# KiCad board squishy-main.kicad_pcb (continued)
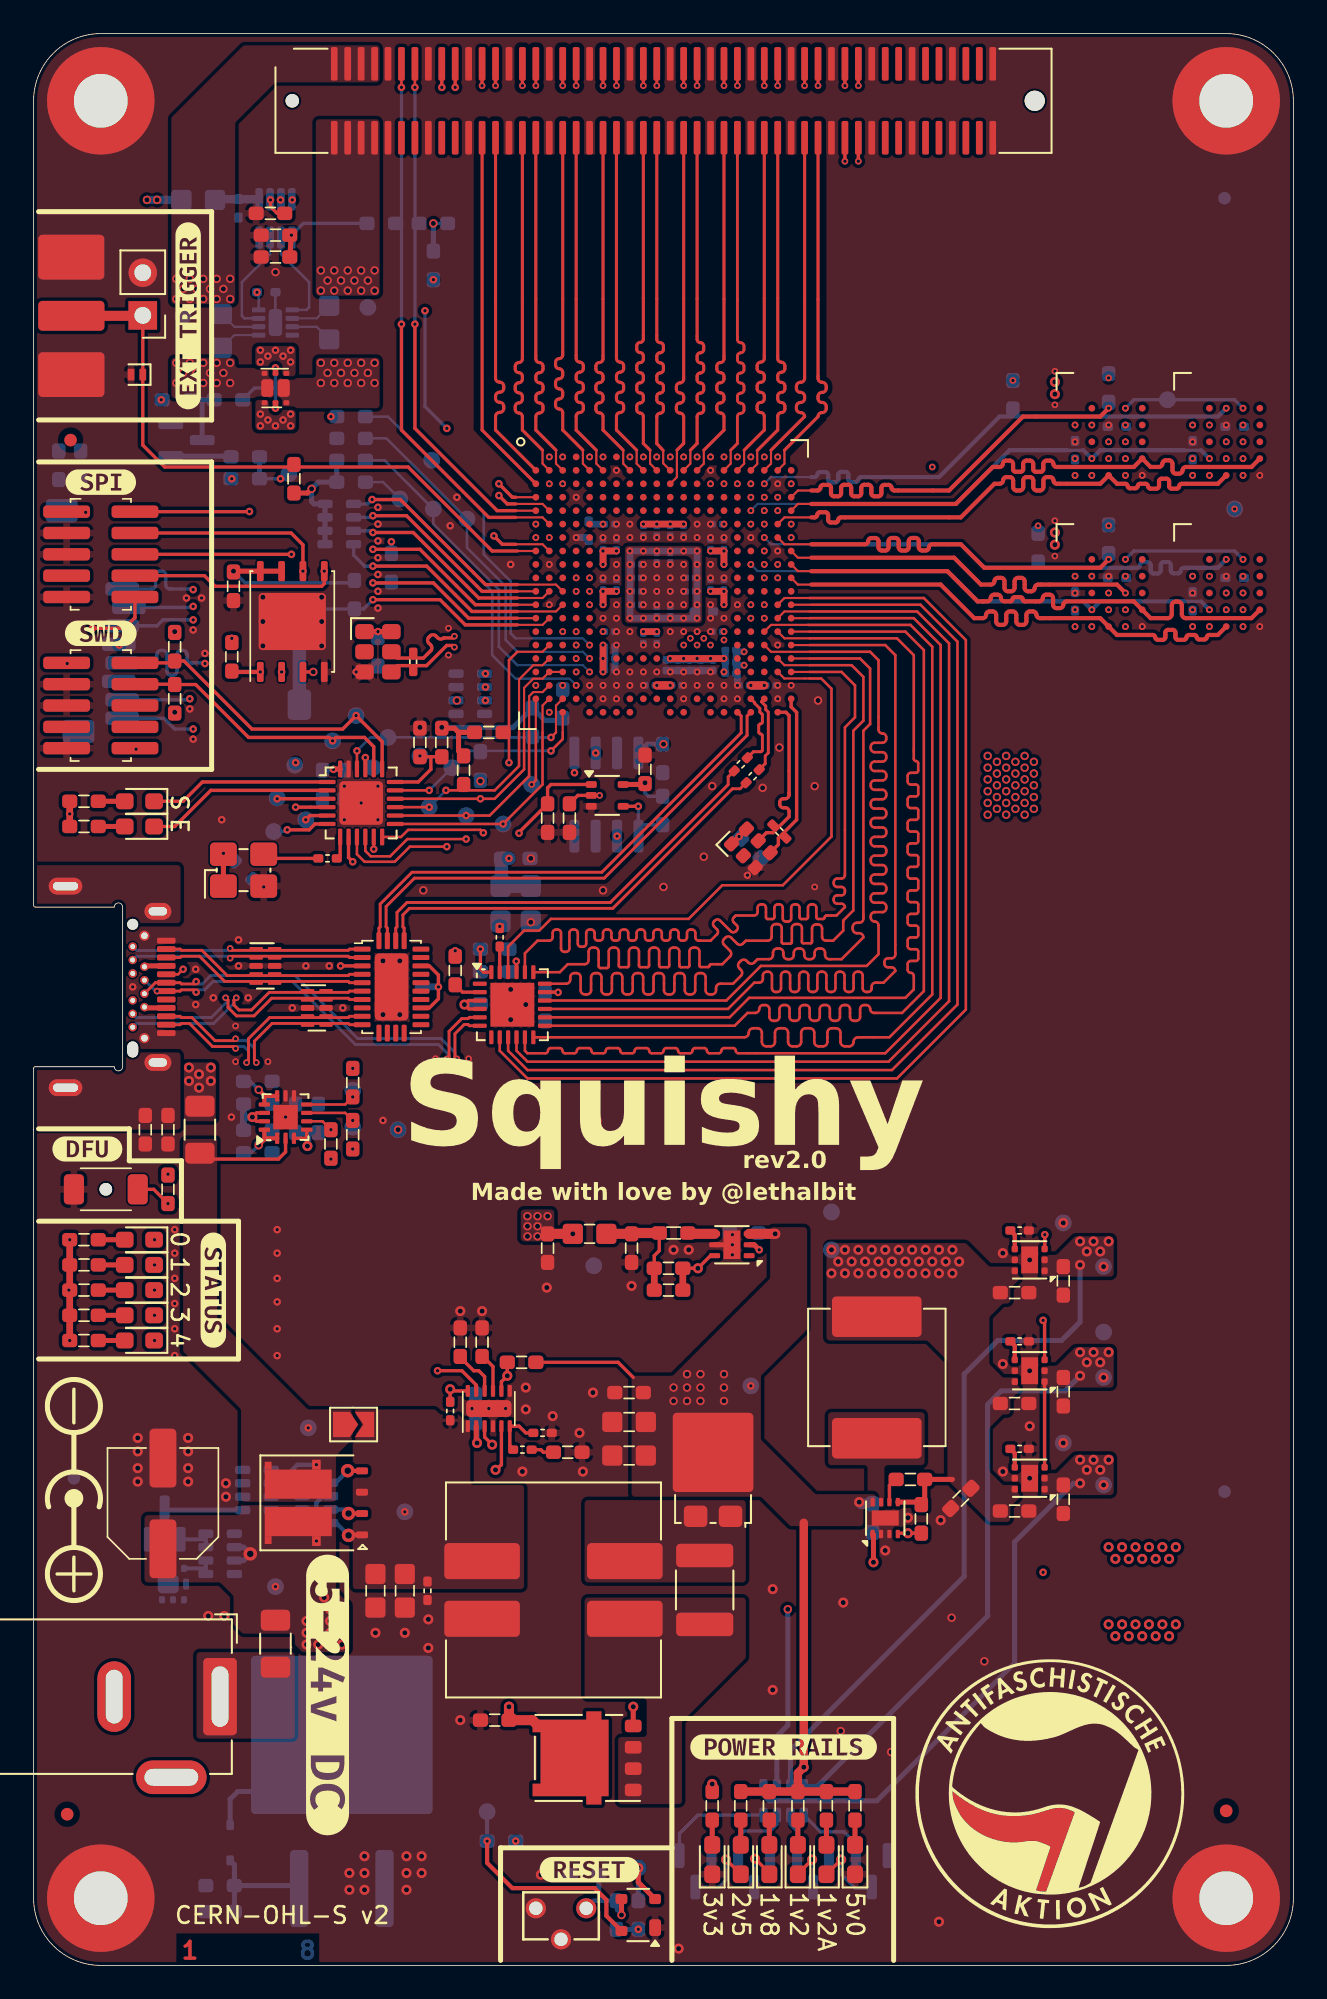
[diagram p0: board, top side]
## Routing (per net, layer and track width the routed paths; a pad name or vN(x,y) marks a point on that pad's centre or on a via; arc(x,y) is an arc through that point) (continued)
/USB Frontend/RX1+: length 13.9
  Top w0.172: U5.1 18.81,60.5 18.74,60.43 11.81,60.43 v3(11.7,60.54)
  Bottom w0.172: v3(11.7,60.54) 11.59,60.43 6.12,60.43 J3.B11
/USB Frontend/RX1-: length 13.9
  Top w0.172: v3(11.7,59.96) 11.81,60.07 18.74,60.07 18.81,60 U5.2
  Bottom w0.172: J3.B10 6.12,60.07 11.59,60.07 v3(11.7,59.96)
/USB Frontend/RX2+: length 15.2
  Top w0.172: v3(12.68,53.74) 12.79,53.86 12.79,55.17 14.05,56.43 18.74,56.43 18.81,56.5 U5.9 ; J3.A11 8.73,56 8.8,56.07 9.28,56.07 10.65,54.7 11.91,54.7 v3(12.03,54.58)
  Bottom w0.172: v3(12.68,53.74) 12.79,53.86 12.79,54.43 12.53,54.7 12.14,54.7 v3(12.03,54.58)
/USB Frontend/RX2-: length 15.2
  Top w0.172: J3.A10 8.73,56.5 8.8,56.43 9.42,56.43 10.8,55.05 11.91,55.05 v3(12.03,55.16) ; v3(13.26,53.74) 13.15,53.86 13.15,55.02 14.2,56.07 18.74,56.07 18.81,56 U5.10
  Bottom w0.172: v3(12.03,55.16) 12.14,55.05 12.67,55.05 13.15,54.58 13.15,53.86 v3(13.26,53.74)
/USB Frontend/SSRX+: length 29.2
  Top w0.172: U1.Y16 42.12,74.38 42.12,73.37 33.83,65.08 22.53,65.08 20.63,63.18 20.63,61.82 20.56,61.75 U5.28
/USB Frontend/SSRX-: length 29.2
  Top w0.172: U1.Y17 42.48,74.38 42.48,73.23 33.97,64.72 22.67,64.72 20.99,63.04 20.99,61.82 21.06,61.75 U5.27
/USB Frontend/SSTX+: length 4.7
  Top w0.172: C9.2 42.85,72.25 43.31,72.25 43.39,72.33 43.39,73.2 arc(43.36,73.28) 43.28,73.31 arc(43.2,73.34) 43.17,73.42 43.17,73.8 arc(43.2,73.88) 43.28,73.91 arc(43.36,73.94) 43.39,74.02 43.39,74.46 43.24,74.62 43.24,74.82 42.92,75.13 42.92,75.18 U1.W17
/USB Frontend/SSTX-: length 4.7
  Top w0.172: U1.W18 43.33,75.23 43.59,74.97 43.59,74.76 43.74,74.61 43.74,72.18 43.56,72 43.56,71.54 C10.2
/USB Frontend/TX1+: length 12.3
  Top w0.172: U5.4 18.81,59 18.74,58.93 11.52,58.93 10.02,60.43 8.8,60.43 8.73,60.5 J3.A2
/USB Frontend/TX1-: length 12.3
  Top w0.172: J3.A3 8.73,60 8.8,60.07 9.88,60.07 11.38,58.57 18.74,58.57 18.81,58.5 U5.5
/USB Frontend/TX2+: length 15.7
  Top w0.172: v3(12.06,57.6) 11.93,57.46 11.93,57.17 12.22,56.88 12.98,56.88 14.03,57.93 18.74,57.93 18.81,58 U5.6
  Bottom w0.172: v3(12.06,57.6) 11.93,57.46 11.93,57.28 10.72,56.07 6.12,56.07 J3.B2
/USB Frontend/TX2-: length 15.7
  Top w0.172: U5.7 18.81,57.5 18.74,57.57 14.17,57.57 13.12,56.52 12.08,56.52 11.57,57.03 11.57,57.46 v3(11.44,57.6)
  Bottom w0.172: v3(11.44,57.6) 11.57,57.46 11.57,57.42 10.58,56.43 6.12,56.43 J3.B3
/USB Frontend/TX+: length 25.6
  Top w0.172: C9.1 41.35,70.75 41.35,70.29 34.33,63.28 22.23,63.28 21.63,62.68 21.63,61.82 21.56,61.75 U5.26
/USB Frontend/TX-: length 25.3
  Top w0.172: C10.1 42.06,70.04 41.6,70.04 34.48,62.92 22.37,62.92 21.99,62.54 21.99,61.82 22.06,61.75 U5.25
/USB Frontend/~{PD_INT}: length 61.4
  Top w0.152: v3(17.7,49.75) 17.2,50.25 U10.5
  In5.Cu w0.127: 46.2,81.4 43.1,81.4 v3(42.7,81)
  In5.Cu w0.152: v3(17.7,49.75) v4(21.7,49.75) 34.45,49.75 48.9,64.2 48.9,79.7 47.2,81.4 46.2,81.4
/USB Frontend/~{PHY_RST}: length 35.9
  Top w0.127: 46.19,76.61 44.69,76.61 U1.U19
  Top w0.152: U9.22 28.25,60.65 29.2,61.6 30.1,61.6 30.8,62.3 39,62.3 41,64.3 44.6,64.3 47.5,67.2 47.5,76 46.89,76.61 46.19,76.61
/~{BITRAM_CS}: length 4.1
  Top w0.2: v2(36,69) U24.4
  Bottom w0.2: U18.1 36,67.23 v2(36,69) ; R37.2 36,67.9
/~{DFU_TRIG}: length 18.3
  Top w0.152: v2(25.75,67.05) 22.25,67.05 21.22,66.02 20.07,66.02 19.75,66.34 U11.10
  In5.Cu w0.127: v3(29.9,76.2) 29.9,73.4
  In5.Cu w0.152: 29.9,73.4 29.9,71.2 v2(25.75,67.05)
/~{FLASH_CS}: length 29.3
  Top w0.2: J8.2 12.84,86.54 v2(12.85,86.55) ; v2(14.5,69.45) U11.3
  Top w0.25: R71.2 11.85,77 v2(13.5,77)
  In2.Cu w0.2: v2(12.85,86.55) 12.85,78.5 13.5,77.85 v2(13.5,77) 13.5,76.99 13.5,75.85 14.5,74.85 v2(14.5,69.45)
/~{FPGA_CS}: length 15.9
  Top w0.127: 28.9,73.4 28.9,76.55 29.75,77.4 30.3,77.4 U1.T2
  Top w0.152: v2(24.55,69.95) 27.45,69.95 28.9,71.4 28.9,73.4 ; 23.5,68.95 v2(23.55,68.95) U11.15
  Bottom w0.152: v2(24.55,69.95) v2(23.55,68.95)
/~{FPGA_HOLD}: length 22.3
  Top w0.127: U1.R2 30.3,78.2 28.8,78.2
  Top w0.152: v2(28.3,71.6) 28.3,77.7 28.8,78.2 ; U11.9 19.25,66.15 19.7,65.7 21.5,65.7 22.4,66.6 v2(24.6,66.6)
  In5.Cu w0.152: v2(24.6,66.6) 28.3,70.3 v2(28.3,71.6)
/~{FPGA_INIT}: length 17.1
  Top w0.152: U11.21 v2(19.75,71.9)
  In5.Cu w0.127: 28.7,76.6 30.3,76.6 30.7,76.2 v3(31.5,76.2)
  In5.Cu w0.152: 28.7,76.6 28.3,76.2 28.3,73.2 27.9,72.8 20.65,72.8 v2(19.75,71.9)
  Bottom w0.127: v2(19.75,71.9) 20.2,71.45 TP23.1
/~{FPGA_PROG}: length 15.6
  Top w0.127: U1.W3 31.1,75 31.1,73.4
  Top w0.152: 31.1,73.4 v2(30.8,73.1) ; 19.25,72.25 v2(19.25,72.3) U11.22
  Bottom w0.152: v2(30.8,73.1) 20.05,73.1 v2(19.25,72.3)
/~{PHY_PWR_EN}: length 21
  Top w0.127: U1.H2 30.3,84.6 28.7,84.6
  Top w0.2: v2(27.4,85.1) 27.9,84.6 28.7,84.6
  In5.Cu w0.2: v2(27.4,85.1) 25.8,86.7 23.8,86.7 22,88.5 v2(14.7,88.5)
  Bottom w0.2: R62.2 v2(14.7,88.5) 14.9,88.5 TP43.1
  Bottom w0.3: R63.2 R62.2
/~{SU_RST}: length 35.7
  Top w0.2: 23.65,71.95 C21.1 v2(23,72) ; 23.65,71.95 23.65,71.2 22.9,70.45 U11.18 ; 23.65,71.95 R12.2 ; v2(3.5,79.6) 5.4,79.6 6.03,80.23 J8.10
  In5.Cu w0.2: v2(3.5,79.6) 3.5,73.3 4.4,72.4 v2(6.1,72.4) 18.1,72.4 19.5,71 20.66,71 21.66,72 v2(23,72)
/~{TRIGGER}: length 38.1
  Top w0.127: U1.H1 28.8,84.2
  Top w0.2: 28.8,84.2 27.3,84.2 22.3,89.2 7.8,89.2 6.5,90.5 J1.1
  Top w0.6: J1.1 6.47,98.2 2.13,98.2
VDC: length 11.5
  Bottom w0.25: 17.69,27.93 17.24,27.93 16.83,27.53 v2(16.84,25.26)
  Bottom w0.3: R50.4 12.5,24.1 v5(12.9,24.5) 12.5,24.9 R50.6 ; D14.2 14.62,10.35 12.15,10.35 11.7,9.9 D13.1
  vias: v1(16.25,20.5) v1(16.25,19.8) v1(16.25,19.1) v1(16.95,21.2) v1(16.95,20.5) v1(16.95,19.8) v1(16.95,19.1) v1(17.3,21.9) v1(17.65,21.2) v1(17.65,20.5) v1(17.65,19.8) v1(17.65,19.1) v1(18.35,19.8) v1(18.35,19.1) v1(18.35,20.5) v2(14.4,22.55)
Net-(C26-Pad1): length 1.4
  Top w0.2: 29.6,30.7 30.2,30.7 30.35,30.55 R15.2
Net-(C89-Pad1): length 6.6
  Top w0.2: R33.1 36.95,42.25 37.25,42.55 37.25,43.5
  Top w0.4: C90.1 R33.1
  Top w0.6: L2.2 35.6,43.6 ; C89.1 FB2.1
Net-(D2-A): length 1.6
  Top w0.3: R23.2 D2.2
Net-(D3-A): length 1.6
  Top w0.3: D3.2 R24.2
Net-(D4-A): length 1.6
  Top w0.3: D4.2 R25.2
Net-(D5-A): length 1.6
  Top w0.3: D5.2 R26.2
Net-(D6-A): length 1.6
  Top w0.3: D6.2 R27.2
Net-(D7-A): length 1.4
  Top w0.3: R31.2 48.9,7.2
Net-(D8-A): length 1.5
  Top w0.3: 40.4,8.7 40.4,7.2
Net-(D9-A): length 1.5
  Top w0.3: R34.2 D9.2
Net-(D9-K): length 4.5
  Top w0.2: v1(41.22,6.3) 42.1,5.42 D9.1
  Bottom w0.2: 39.4,4.65 40.8,4.65 41.2,5.05 41.2,6.11 41.22,6.14 v1(41.22,6.3)
Net-(D10-A): length 1.5
  Top w0.3: R79.2 D10.2
Net-(D10-K): length 3.2
  Top w0.2: v1(46.35,6.3) 45.5,5.45 D10.1
  Bottom w0.2: v1(46.35,6.3) 46.35,4.35
Net-(D11-A): length 1.5
  Top w0.3: R78.2 D11.2
Net-(D11-K): length 3.1
  Top w0.2: D11.1 43.8,5.5 v1(42.95,6.35)
  Bottom w0.2: 42.9,4.55 42.95,4.6 v1(42.95,6.35)
Net-(D12-A): length 1.5
  Top w0.3: R80.2 D12.2
Net-(D12-K): length 4.2
  Top w0.2: v1(48.08,6.3) 47.2,5.42 47.2,5.43
  Bottom w0.2: v1(48.08,6.3) 48.08,5.42 48.9,4.6 49.8,4.6
Net-(D13-A): length 7.1
  Bottom w0.3: R47.1 C95.1 ; R47.1 11.95,6 D13.2 ; R47.1 15.63,4.75 D14.3
Net-(D15-A): length 1.6
  Top w0.3: D15.2 R7.2
Net-(D16-A): length 1.6
  Top w0.3: D16.2 R21.2
Net-(F2-Pad1): length 2.6
  Top w0.3: J3.A9 6.65,57 ; J3.A4 6.65,59.5
  Top w0.4: 6.65,57 J3.B4 ; 6.65,59.5 J3.B9
  vias: v1(9.25,53.45) v1(9.25,52.65) v1(9.85,53.05) v1(9.85,52.25) v1(10.55,53.45) v1(10.55,52.65)
Net-(Q1-G): length 22.7
  Top w0.2: 35.7,15.4 v1(35.7,15.4) ; v1(27.3,31) 26.85,31.45 U13.3
  Top w0.3: Q1.1 35.7,15.4
  In2.Cu w0.2: v1(35.7,15.4) 34.7,16.4 32.6,16.4 30.9,18.1 30.9,26 28.4,28.5 28.4,29.9 v1(27.3,31)
Net-(Q1-S): length 19.8
  Top w0.2: v1(27.5,29.5) 27.85,29.8 U13.5
  Top w0.6: 30,14.3 29.7,14.6 R16.2 v1(28.3,15.4)
  In2.Cu w0.2: v1(27.5,29.5) 27.5,16.2 v1(28.3,15.4)
Net-(Q2-G): length 4.3
  Bottom w0.2: 41.9,6.5 41.95,6.55 41.95,7.65 42.3,8 43.85,8 44.25,8.4 R35.5
Net-(Q3-G): length 6.8
  Bottom w0.2: R35.7 39.55,8.95 38.45,7.85 38.45,6.6 38.4,6.55
Net-(Q4-G): length 2.6
  Bottom w0.2: R35.3 45.05,8.4 45.45,8 45.45,6.55
Net-(Q5-G): length 4.5
  Bottom w0.2: R35.1 46.85,7.95 48.25,7.95 48.95,7.25 48.95,6.55
Net-(Q6-G): length 2.1
  Bottom w0.25: 10.25,23.6 10.22,23.63 Q6.2 ; 10.25,23.6 R50.1 ; 10.25,23.6 R50.3
Net-(Q7A-G): length 5.3
  Top w0.2: Q7.5 v2(14.4,92.7) ; Q7.2 v2(14.4,95.1)
  Bottom w0.2: R51.2 13.15,93.9 14.4,93.9 ; 14.4,93.9 v2(14.4,95.1) ; 14.4,93.9 v2(14.4,92.7)
Net-(Q8-D): length 4.7
  Bottom w0.3: Q8.3 7.94,27.1 R46.1
Net-(Q8-G): length 2.3
  Bottom w0.25: R50.7 10.25,25.3 ; 10.25,25.3 R50.5 ; 10.25,25.3 10.19,25.36 Q8.1
Net-(Q9-D): length 3.8
  Bottom w0.3: 10,93.2 R51.1 ; 10,93.2 R61.2 ; 10,93.2 10.04,93.16 Q9.3
Net-(Q9-G): length 3.6
  Bottom w0.3: R63.1 11.7,89.85 Q9.1
Net-(Q10A-G): length 2
  Top w0.25: Q10.2 v5(18.75,26.9)
  Bottom w0.25: v5(18.75,26.9) 18.51,27.13 17.69,27.13
Net-(Q10B-G): length 2.2
  Top w0.25: v5(18.7,29.45) 18.71,29.44 Q10.4
  Bottom w0.25: v5(18.7,29.45) 17.99,28.73 R48.8
Net-(R46-Pad2): length 2.6
  Bottom w0.25: 15.99,26.33 15.99,27.13 14.18,27.13 R46.2
Net-(R46-Pad4): length 2.6
  Bottom w0.25: R48.7 R48.5 14.19,27.93 R46.4
Net-(U4-~{MR}): length 5.5
  Top w0.3: v4(35,3) U4.3
  Bottom w0.2: R32.2 34.7,3.3 v4(35,3)
  Bottom w0.25: R32.2 33.65,3.85 ; 33.65,3.85 33.65,4.4 ; 33.65,3.85 33.35,3.85 SW1.1
  Bottom w0.3: C6.1 33.65,4.4
Net-(U9-RBIAS): length 1.9
  Top w0.2: U9.24 26.8,59.12 26.6,59.32 v2(26.6,60.5)
Net-(U13-COMP): length 3
  Top w0.2: C38.2 29.3,31.7 28.9,32.1 28.4,32.1 ; 28.6,30.7 28.35,30.95 U13.6
Net-(U13-FB): length 2.6
  Top w0.2: R18.1 v1(28.2,35.1) 27.85,34.75 U13.8
  Bottom w0.2: v1(28.2,35.1) R18.1
Net-(U13-RT): length 2.8
  Top w0.2: 25.4,36.2 26.2,35.4 26.5,35.4 26.85,35.05 U13.10
Net-(U13-SS): length 2.4
  Top w0.2: U13.9 27.35,35.65 26.7,36.3
Net-(U13-UVLO/EN/SYNC): length 2.5
  Top w0.2: U13.12 24.9,34.2 v1(24.8,34.3) R2.2
  Bottom w0.2: v1(24.8,34.3) 24.8,33.6
Net-(U13-VCC): length 2.2
  Top w0.3: U13.2 26.35,31.15 v1(26.4,31.1)
  Bottom w0.3: v1(26.4,31.1) 26.4,32.1 ; 26.4,32 26.3,32.1
Net-(U16-BIAS): length 1.2
  Top w0.25: U16.4 58.41,36.89 C41.1
Net-(U17-BIAS): length 1.2
  Top w0.25: C44.1 58.41,30.49 U17.4
Net-(U20-BIAS): length 1.2
  Top w0.25: U20.4 58.41,43.49 C86.1
Net-(U21-FB): length 4.4
  Top w0.2: R33.2 v1(39.55,41.5) 40.3,42.25 U21.6
  Top w0.4: C90.2 R33.2
  Bottom w0.2: v1(39.55,41.5) R33.2
Net-(U21-LX): length 1.6
  Top w0.6: U21.4 38.95,43.55
Net-(U23-FB): length 2.2
  Top w0.2: 51.45,25.73 v1(52.05,25.73) R55.1
  Bottom w0.2: v1(52.05,25.73) R55.1
Net-(U23-PG): length 1.5
  Top w0.2: 51.3,28.93 50.95,28.58 U23.6
Net-(X2-OUT): length 0.2
  Top w0.2: R30.1 v2(27.75,61.85) 27.78,61.77
Net-(X4-OUT): length 3.4
  Top w0.2: R29.1 13.95,65.9 X4.3

## Copper pours and planes (outline as drawn; the poured copper is in the pictures)
+1V2 on Top: 64.3,41 59.9,41 59.9,42.3 60.9,42.3 62,43.4 64.3,43.4
+1V2 on Top, In2.Cu, In4.Cu: 35.2,84.5 39.8,84.5 39.8,79.9 35.2,79.9
+1V2 on In2.Cu: 59.8,68.2 59.8,72.3 39.8,72.3 39.8,79.9 35.2,79.9 35.2,68.2
+1V2 on In4.Cu: 66,41 61.9,41 61.9,68.2 56.5,68.2 56.5,72.3 66,72.3
+1V2A on Top: 64.3,34.4 59.85,34.4 59.85,35.7 60.9,35.7 62,36.8 64.3,36.8
+1V2A on In4.Cu: 68.6,34.4 61.8,34.4 61.8,36.8 66.2,36.8 66.2,72.5 55.1,72.5 55.1,74.9 68.6,74.9
+1V2A on In4.Cu: 37.5,78.1 37.5,77.2 40.7,77.2 40.7,76.4 45.4,76.4 46.1,75.7 50.88,75.7 54.1,72.5 55.1,72.5 55.1,74.9 51.9,78.1
+1V8 on Top, In4.Cu: 31,43.1 29,43.1 29,45 31,45
+1V8 on In4.Cu: 29,45 29,47.3 47,47.3 47,23.5 71.4,23.5 71.4,77.7 74,77.7 74,20.9 44.6,20.9 44.6,45
+1V8 on In4.Cu: 74,77.7 74,94.7 61,94.7 50.99,84.7 40,84.7 40,82.9 51,82.9 56.2,77.7
+2V5 on Top: 64.3,28 59.9,28 59.9,29.3 60.9,29.3 62,30.4 64.3,30.4
+2V5 on In4.Cu: 61.9,28 61.9,30.4 68.8,30.4 68.8,75.1 56.2,75.1 56.2,77.5 71.2,77.5 71.2,28
+2V5 on In4.Cu: 38.3,78.3 38.3,79.2 40.6,79.2 40.6,79.9 43.9,79.9 44.7,80.7 53,80.7 56.2,77.5 56.2,75.1 55.2,75.1 52,78.3
+2V5 on In5.Cu: 33.5,78.9 38.3,78.9 38.3,78.2 41.4,78.2 41.4,79.9 33.5,79.9
+3V3 on Top: 47.2,37.2 47.2,43 55.5,43 56.9,41.6 58.7,41.6 58.7,40.85 58.15,40.3 58.15,39.4 57.7,39.4 56.9,38.6 56.9,35.8 57.7,35 58.7,35 58.7,34.2 58.15,33.7 58.15,32.8 57.7,32.8 56.9,32 56.9,29.4 57.7,28.6 58.7,28.6 58.7,27.85 58.15,27.3 58.15,26.4 56.9,26.4 54.4,28.9 54.4,36 53.2,37.2
+3V3 on Top: 14.8,94.6 15.6,94.6 15.6,96.4 13.2,96.4 13.2,95.2 14.8,95.2
+3V3 on Bottom: 63.6,19.2 68.4,19.2 68.4,25.3 63.6,25.3
+3V3 on In4.Cu: 75,0 75,115 0,115 0,0
+3V3 on In5.Cu: 41.4,80.6 33,80.6 31.9,81.7 31.9,83 35,86.1 39,86.1 39.1,86 39.1,83.8 36,83.8 36,82.3 41.4,82.3
+5V on Top: 50.15,27.25 49.4,27.25 49.4,26.15 45.05,26.15 43.3,27.9 35.6,27.9 35.6,35.1 38.05,35.1 43.85,40.9 43.85,43.95 46.05,43.95 46.05,37.85 43.3,35.1 43.3,31.3 46.55,28.05 50.15,28.05
+5V on Top: 14,93.2 13.2,93.2 13.2,91.4 15.6,91.4 15.6,92.6 14,92.6
+5V on In4.Cu: 12.9,92.6 15.9,92.6 15.9,44.6 12.9,47.6
+5V on In4.Cu: 37.6,33.1 41.6,33.1 41.6,35.7 38.7,35.7 37.6,34.6
+5V on In4.Cu: 37.6,33.1 31.4,39.3 21.2,39.3 15.9,44.6 15.9,48.6 22.2,42.3 32.1,42.3 38.7,35.7 37.6,34.6
GND on Top: 36,83.7 39,83.7 39,80.7 36,80.7
GND on Top, Bottom, In1.Cu, In2.Cu, In3.Cu, In5.Cu, In6.Cu: 5.3,61.85 5.3,54.55 8.75,54.55 8.75,49.75 0,49.75 0,0 8.5,0 8.5,1.9 17,1.9 17,0 75,0 75,115 0,115 0,65.5 8.75,65.5 8.75,61.85
VBUS on Top: 19,33.1 19,31.35 18,30.35 18,27.6 12.35,27.6 12.35,33.1 8.9,36.55 8.9,49.2 10.9,49.2 10.92,49.17 10.92,38.5 16.32,33.1
VCC on Top: 19,22.4 19,33.1 23.9,33.1 24.2,32.8 25.3,32.8 25.6,32.5 26,32.5 26,28.6 29.2,28.6 29.2,22.4
/Power & Mechanical/PHY_3v3_SW on Top: 16.8,94.5 14.5,94.5 14.5,93.3 14.8,93.3 14.8,92.7 20.6,92.7 20.6,95.7 16.8,95.7
/Power & Mechanical/PHY_3v3_SW on Bottom: 16.8,93.9 20.6,93.9 20.6,97.7 16.8,97.7
/Power & Mechanical/PHY_5v0_SW on Top: 8.2,93.3 14.3,93.3 14.3,94.5 14,94.5 14,95.1 12,95.1 12,95.7 8.2,95.7
/Power & Mechanical/PHY_5v0_SW on Bottom: 8.2,93.9 12,93.9 12,97.2 8.2,97.2
/Power & Mechanical/SEPIC_OUT on Top: 32.8,22.8 32.8,27.7 42.4,27.7 42.4,22.8
/Power & Mechanical/SEPIC_SW on Top: 32.8,21.9 42.4,21.9 42.4,18.3 38.6,14.5 38.6,9.6 34.8,9.6 34.8,13.6 36.5,13.6 36.5,15.9 32.8,15.9
/PWR_PHY_3v3 on Top: 20.6,99.4 16.8,99.4 16.8,109.9 20.6,109.9
/PWR_PHY_3v3 on Bottom: 16.8,97.9 20.6,97.9 20.6,101.2 16.8,101.2
/PWR_PHY_5v0 on Top: 12,98.9 8.2,98.9 8.2,110 12.5,114.3 20.6,114.3 20.6,112.1 14.4,112.1 12,109.7
/PWR_PHY_5v0 on Bottom: 8.2,97.4 12,97.4 12,100.7 8.2,100.7
/USB Frontend/USB_SHIELD on Top, Bottom, In1.Cu, In2.Cu, In3.Cu, In4.Cu, In5.Cu, In6.Cu: 5.3,62.05 5.3,54.35 8.75,54.35 8.75,49.75 0,49.75 0,65.5 8.75,65.5 8.75,62.05
VDC on Top: 11.9,20.3 11.9,22 11.1,22.8 6.6,22.8 6.6,26.8 12.35,26.8 12.35,27.5 18,27.5 18,22.3 18.8,21.5 18.8,18.65 16,18.65 15.55,19.1 15.55,19.75 12.45,19.75
VDC on Bottom: 15.8,16.55 15.8,21.5 16.7,22.4 17.9,22.4 18.8,21.5 18.8,16.55
Net-(F1-Pad1) on Top: 9.7,18.65 9.7,13.5 15.55,13.5 15.55,18.65
Net-(F2-Pad1) on Top: 8.95,53.75 8.95,50.25 10.85,50.25 10.85,53.75
Net-(F2-Pad1) on In2.Cu: 6.25,59.85 6.25,56.65 7.15,56.65 8.95,54.75 8.95,52.05 10.85,52.05 10.85,58.95 9.95,59.85
Net-(J6-SHIELD) on Bottom: 3.7,72.5 3.7,89 0,89 0,72.5
Net-(Q6-D) on Bottom: 8.7,24.1 8.7,13.59 10.55,11.8 10.55,9.9 5.6,9.9 5.6,11.5 3.4,13.8 3.4,19.5 5.4,19.5 7.1,21.2 7.1,24.1
Net-(U23-SW) on Top: 50.65,27.25 50.65,29.78 53.05,29.78 53.05,32.93 47.3,32.93 47.3,29.78 49.65,29.78 49.65,28.1 50.2,28.1 50.2,27.25

## Text on the board
Bottom: 8
B.Silkscreen: SERIAL | https://scsi.moe
Top: 1
F.Fab: Outter Copper:  1Oz / Inner Copper: 0.5Oz | IFF JLCPCB: JLC08161H-2116 | NOTE: Must Be Controled Impedance! | NOTE: Use ENIG Plating | Prepreg (2116*1) | Core | Prepreg (1080*1) | 0.0350mm | 0.1164mm | 0.0152mm | 0.3000mm | 0.0764mm | Impedance Table: / 90Ω Coplanar Differential (inner): / trace/space: (0.1717/0.1800) clearance: 0.2500mm / 90Ω Coplanar Differential (outter): / trace/space: (0.1699/0.1800) clearance: 0.2500mm / 50Ω Coplanar Single Ended (inner): / width: 0.1730mm clearance: 0.2500mm / 50Ω Coplanar Single Ended (outter): / width: 0.1791mm clearance: 0.2500mm / 50Ω Microstrip Single Ended (outer): / width: 0.1862mm clearance: 0.2750mm / 50Ω Microstrip Single Ended (inner): / width: 0.1770mm clearance: 0.2750mm | Er = 4.6 / Er_{eff} = (0.65 * Er + 0.35) / V_{ic} = C/Sqrt(Er) = 139,778,954.2 m/s / f = 1/1ns = 1GHz / λ = V_{ic}/f = 129.7789mm / λ_{0} = λ * (1/10) = 13mm / Δ = V_{ic} * 750ps = 104mm / t_{pd} = 85 * sqrt(Er_{eff}) ≅ 6.5ps/mm | GND/SIG | GND | SIG | PWR | BOT | TOP | Board Stackup
F.Silkscreen: 0 | 3v3 | 2v5 | 1v8 | 1v2 | 1v2A | 5v0 | CERN-OHL-S v2 | S | E | 1 | 2 | 3 | 4 | rev2.0 | Made with love by @lethalbit | Squishy
In1.Cu: 2
In2.Cu: 3
In3.Cu: 4
In4.Cu: 5
In5.Cu: 6
In6.Cu: 7
